# Altium PCB Gateway - Particle Boron LTE Shield.PcbDoc
Units mil, origin at the board's own origin, x right, y up, seen from the top; angles counter-clockwise.
Board outline 2708.66 x 3937.01 mil, 2 copper layers (Top Layer, Bottom Layer), stack 61.756 mil thick; 14 components, 25 nets, 122 pads, 22 vias.
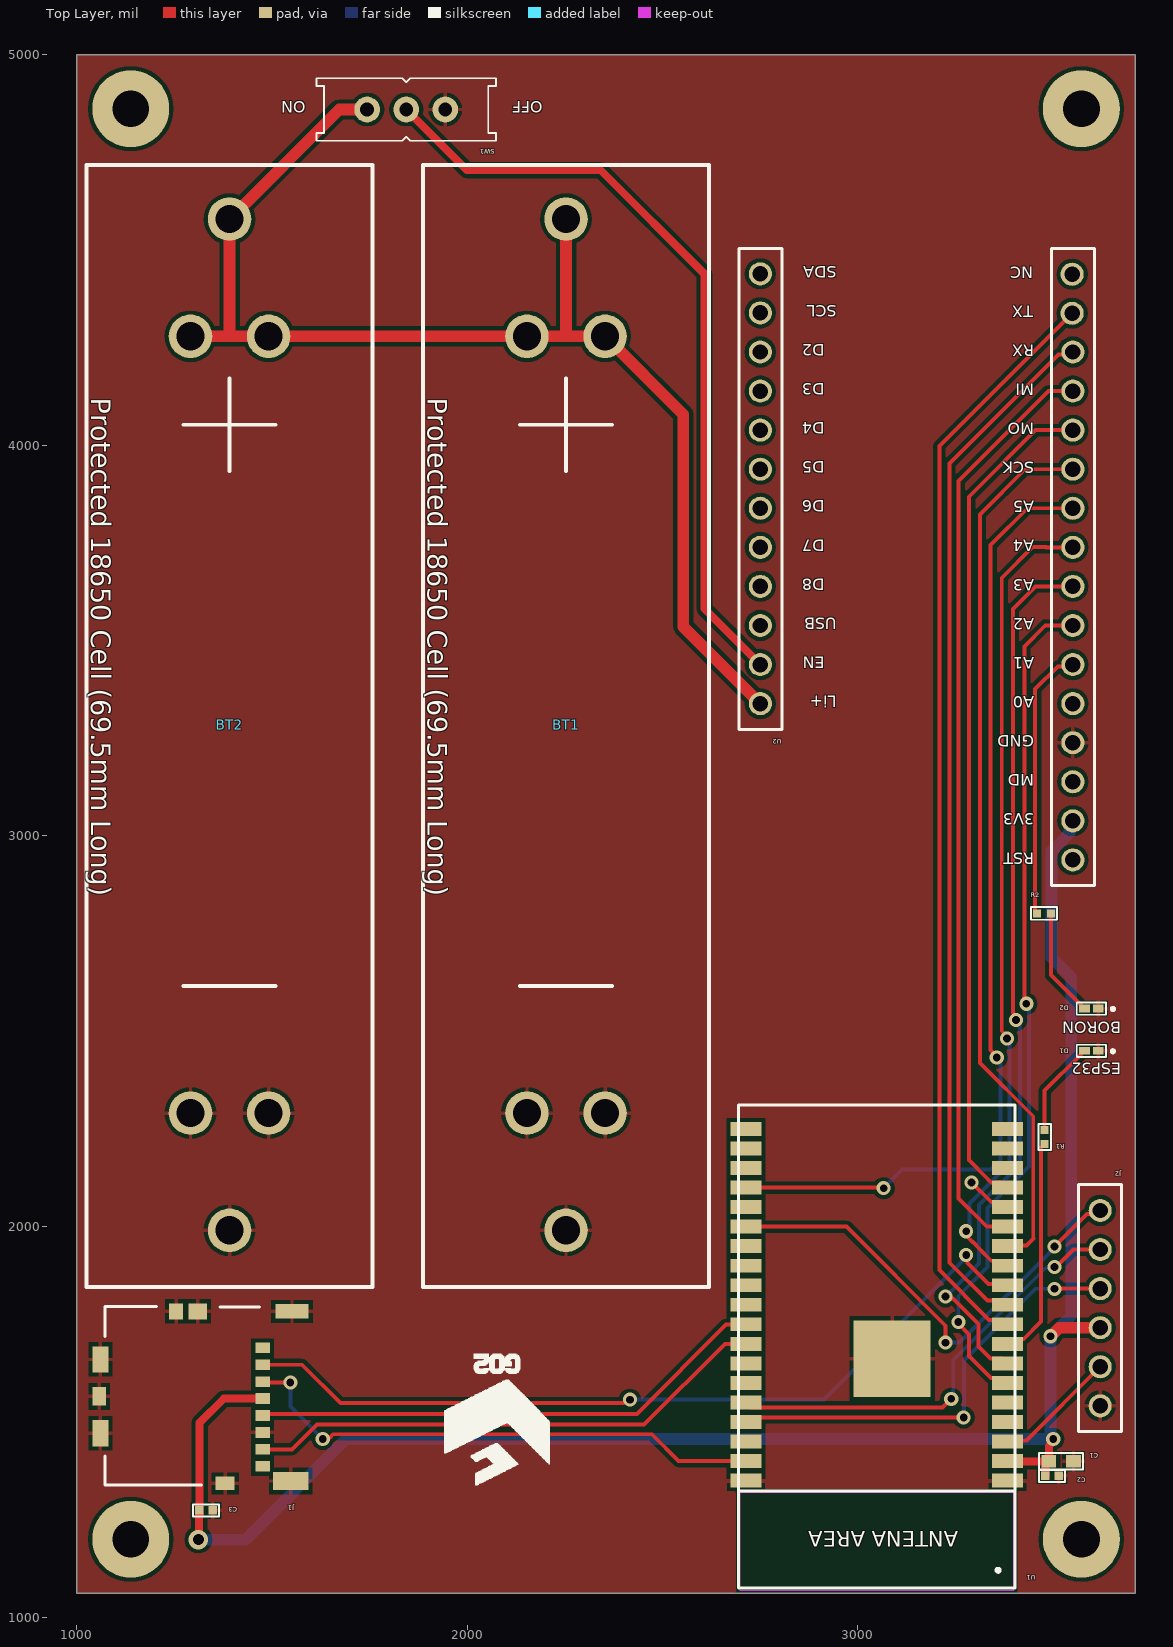
[diagram p0: Top Layer view]
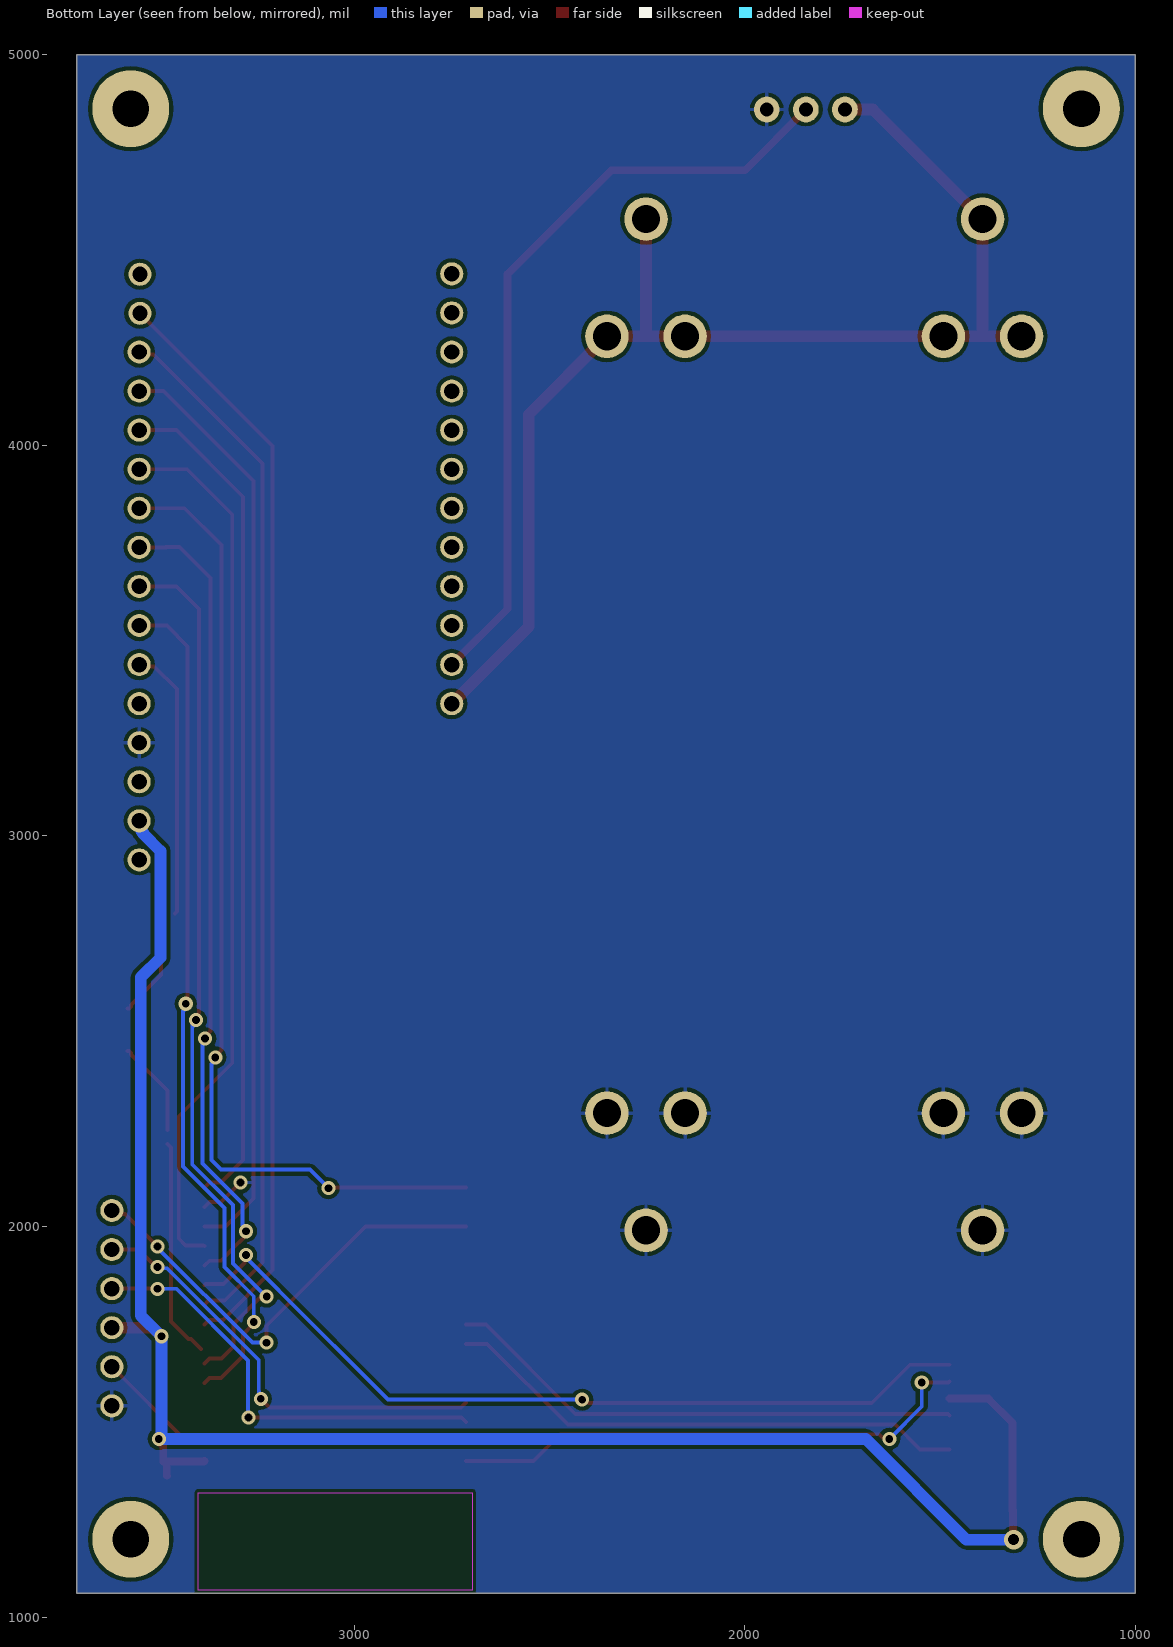
[diagram p1: Bottom Layer view, seen from below]

## Layer stack, top to bottom
Top Solder: solder mask 1, SM-001, Dk 4
Top Layer: signal copper 1.378
Dielectric 1: core 59, Core-043, Dk 4.3
Bottom Layer: signal copper 1.378
Bottom Solder: solder mask 1, SM-001, Dk 4

## Board outline
1000.98,4999.02 1000.98,1062.01 3709.65,1062.01 3709.65,4999.02

## Design rules (kind name [scope] priority, off if disabled: settings)
Clearance [All] p1: gap=10 ignorepadtopadclearanceinfootprint=FALSE except(0: Arc-Hole Track-Hole SMDPad-Hole THPad-Hole Via-Hole Fill-Hole Poly-Hole Region-Hole Text-Hole)
PolygonConnect [All] p1: connectstyle=Relief reliefconductorwidth=10 reliefentries=4 polygonreliefangle="90 Angle" airgapwidth=10
RoomDefinition "Gateway - Particle Boron LTE Shield" [InComponentClass('Gateway - Particle Boron LTE Shield')] p1: confinementstyle=ConfineIn formatcopy=TRUE lockcomponents=FALSE outline 7045,1025 11570,1025 11570,3850 7045,3850
RoutingVias [All] p1: holewidth=20 width=36 viastyle="Through Hole" minholewidth=15 minwidth=30 maxholewidth=28 maxwidth=50
SolderMaskExpansion [All] p1: expansion=4 istentingtop=FALSE
Width [All] p1: maxlimit=30 minlimit=10 preferedwidth=10
30 further rules are at their usual default settings.

## Components (designator, comment, footprint, x,y, rotation, side; value= is the part's Value field where it differs from the comment)
BT1 "3.7V Li-Ion 18650 Cell" "18650 Battery Clip" 2254.92,3333.86 r270 top
BT2 "3.7V Li-Ion 18650 Cell" "18650 Battery Clip" 1393.7,3333.86 r270 top
C1 "22uF 10V 0603" "0603 CAP" 3520.67,1398.62 r0 top value=22uF
C2 "0.1uF 16V 0402" "0402 CAP" 3497.05,1362.2 r0 top value=0.1uF
C3 "0.1uF 16V 0402" "0402 CAP" 1331.69,1273.62 r0 top value=0.1uF
D1 "0402 Red LED" "GREEN 0402 LED" 3597.44,2448.82 r0 top
D2 "0402 Green LED" "GREEN 0402 LED" 3597.44,2557.09 r0 top
J1 "MOLEX 5040771891" "MOLEX 5040771891" 1314.96,1563.98 r270 top
J2 "FTDI Programmer" PPTC061LFBN-RC 3619.09,1790.35 r90 top
R1 "1.5k 1% 0402" "0402 RES" 3478.35,2229.33 r90 top
R2 "1.5k 1% 0402" "0402 RES" 3476.38,2801.18 r0 top
SW1 "SW-SPDT" EG1218 1843.9,4859.25 r0 top
U1 "ESP32-WROVER-E (8MB)" "ESP32-WROVER-E (8MB)" 3048.23,1690.94 r180 top
U2 "Particle Boron LTE" "Particle Boron LTE" 3150.2,3688.58 r180 top

## Footprints (in the part's own frame and the unit in brackets; to place one, negate y for a bottom-side part, rotate by r counter-clockwise, add the part's x,y. Pads: shape width x height; smd on the part's side, far side on the other; paste and mask are expansions set on the pad)
"0402 CAP" [mil]
  rect 21.65x21.65 smd mask+1.97: 1(-18.05,-0.02) 2(17.39,-0.02)
  silkscreen extent -34,-16 33,15, body extent -20,-10 20,10, height 20
"0402 RES" [mil]
  rect 20x20 smd: 1(17.74,0.51) 2(-17.7,0.51)
  silkscreen extent -33,-16 33,17
"0603 CAP" [mm]
  rect 0.96x0.8 smd: 1(-0.813,0.013) 2(0.787,0.013)
  silkscreen extent -1.46,-0.53 1.42,0.55, body extent -0.8,-0.38 0.8,0.42, height 0.3
"18650 Battery Clip" [mm]
  round 2.83 hole 1.83: 1(-31.62,-0.05) 1(-24,-2.59) 1(-24,2.49) 2(26.5,-2.59) 2(26.5,2.49) 2(34.12,-0.05)
  silkscreen extent -35.12,-9.35 37.8,9.25, body extent -35.19,-9.5 37.87,9.39, height 19.5
EG1218 [mil]
  round 66 hole 35.43: 1(-100,0) 2(0,0) 3(100,0)
  silkscreen extent -230,-80 230,80, body extent -228,-79 228,79, height 276
"ESP32-WROVER-E (8MB)" [mm]
  rect 2x0.9 smd: 1(-8.5,8.66) 2(-8.5,7.39) 3(-8.5,6.12) 4(-8.5,4.85) 5(-8.5,3.58) 6(-8.5,2.31) 7(-8.5,1.04) 8(-8.5,-0.23) 9(-8.5,-1.5) 10(-8.5,-2.77) 11(-8.5,-4.04) 12(-8.5,-5.31) 13(-8.5,-6.58) 14(-8.5,-7.85) 15(-8.5,-9.12) 16(-8.5,-10.39) 17(-8.5,-11.66) 18(-8.5,-12.93) 19(-8.5,-14.2) 20(8.5,-14.2) 21(8.5,-12.93) 22(8.5,-11.66) 23(8.5,-10.39) 24(8.5,-9.12) 25(8.5,-7.85) 26(8.5,-6.58) 27(8.5,-5.31) 28(8.5,-4.04) 29(8.5,-2.77) 30(8.5,-1.5) 31(8.5,-0.23) 32(8.5,1.04) 33(8.5,2.31) 34(8.5,3.58) 35(8.5,4.85) 36(8.5,6.12) 37(8.5,7.39) 38(8.5,8.66)
  rect 5x5 smd: 39(-1,0.74)
  silkscreen extent -9,-15.75 9,15.65, body extent -8.95,-15.74 9.75,15.95, height 3.3
"GREEN 0402 LED" [mm]
  rect 0.7x0.5 smd: 1(-0.45,0.025) 2(0.45,0.025)
  silkscreen extent -0.95,-0.37 1.5,0.43, body extent -0.5,-0.23 0.5,0.28, height 0.16
"MOLEX 5040771891" [mm]
  rect 0.7x0.95 smd: 1(-3.195,4.1) 2(-2.095,4.1) 3(-0.995,4.1) 4(0.105,4.1) 5(1.205,4.1) 6(2.305,4.1) 7(3.405,4.1) 8(4.505,4.1)
  rect 0.95x2.17 smd: 9(-5.57,6.01)
  rect 1.05x0.9 smd: 9(-5.565,-1.525)
  rect 1.05x1.2 smd: 9(-5.565,-0.115)
  rect 1.7x1.03 smd: 9(-2.44,-6.45) 9(2.36,-6.45)
  rect 1.2x0.88 smd: 9(-0.04,-6.525)
  rect 1.19x2.3 smd: 9(5.46,5.935)
  rect 0.88x1.25 smd: 9(5.615,1.66)
  silkscreen extent -5.87,-6.15 5.72,3.9, body extent -5.76,-6.65 5.62,6.85, height 1.26
"Particle Boron LTE" [mm]
  round 1.5 hole 1: 1(-10.16,19.05) 2(-10.16,16.51) 3(-10.16,13.97) 4(-10.16,11.43) 5(-10.16,8.89) 6(-10.16,6.35) 7(-10.16,3.81) 8(-10.16,1.27) 9(-10.16,-1.27) 10(-10.16,-3.81) 11(-10.16,-6.35) 12(-10.16,-8.89) 13(-10.16,-11.43) 14(-10.16,-13.97) 15(-10.11,-16.485) 16(-10.11,-19.025) 17(10.16,-19.05) 18(10.16,-16.51) 19(10.16,-13.97) 20(10.16,-11.43) 21(10.16,-8.89) 22(10.16,-6.35) 23(10.16,-3.81) 24(10.16,-1.27) 25(10.16,1.27) 26(10.16,3.81) 27(10.16,6.35) 28(10.16,8.89)
  silkscreen extent -11.56,-20.7 11.56,20.7, body extent -11.43,-25.43 11.43,26, height 18.42
PPTC061LFBN-RC [mm]
  round 1.5 hole 1: 1(-6.325,-0.025) 2(-3.785,-0.025) 3(-1.245,-0.025) 4(1.295,-0.025) 5(3.835,-0.025) 6(6.375,-0.025)
  silkscreen extent -8,-1.42 8.05,1.37, body extent -7.59,-1.3 7.65,1.24, height 8.5

## Part data
BT1 BT2: library part Battery, "Multicell Battery"
C1: library part Cap, "Capacitor", Supplier Part Number=490-10476-1-ND
C2 C3: library part Cap, "Capacitor", Supplier Part Number=490-5415-2-ND
D1 D2: library part LED0
  D1: Digikey PN=754-1104-1-ND
  D2: Digikey PN=754-1101-1-ND
J2: library part "Header 6", "Header, 6-Pin", Supplier PN=S7004-ND
R1 R2: library part Res1, "Resistor", Digikey PN=311-1.50KLRCT-ND
SW1: "SPDT Subminiature Toggle Switch, Right Angle Mounting, Vertical Actuation", ComponentLink1Description="Manufacturer Link", ComponentLink1URL=http://www.apem.com, DatasheetVersion=05-Dec-2000, LatestRevisionDate=17-Dec-2003, LatestRevisionNote="Schematic revised, PCB Footprint replaced.", PackageDescription="Switch; 4 Leads", PackageReference=TL36WW15050, Published=24-Mar-1999, Publisher="Altium Limited"

## Free pads (board coordinates)
  round 196.85 hole 94.49: 1(1138.78,1199.8) 1(1138.78,4861.22) 1(3571.85,1199.8) 1(3571.85,4861.22)

## Via types
v1: diameter 36, hole 20, Top Layer to Bottom Layer, tented both sides, 19 vias
v2: diameter 36, hole 20, Top Layer to Bottom Layer, 2 vias
v3: diameter 50, hole 28, Top Layer to Bottom Layer, 1 vias

## Nets (pads, with @x,y where several pads share a name; then routed paths per layer and width w, separated by ;. In a path a pad name is that pad's centre, name@x,y a point inside that pad or via, vN(x,y) a via of type N, cw(c..) or ccw(c..) an arc to the next point about the centre after c; other vN are vias at no path point)
3V3: C1.1 C2.1 C3.1 J1.4 J2.3 U1.2 U2.2 | length 4786.2
  Top Layer w20: v3(1312.01,1198.82) 1313.64,1200.45 C3.1@1313.64,1263.76 ; C3.1 C3.1@1313.64,1263.76 ; J1.4 1376.77,1559.84 1314.96,1498.03 1314.96,1272.59 1314.47,1272.09 1314.47,1264.58 C3.1@1313.64,1263.76 ; U1.2 3383.74,1399.13 C1.1@3485.57,1399.13 ; C2.1 3479.82,1363.01 3479.82,1393.39 C1.1@3485.57,1399.13 ; v2(3500,1456.69) 3500,1449.8 3488.66,1438.46 C1.1 C1.1@3485.57,1399.13
  Top Layer w30: v2(3493.11,1719.49) 3514.96,1741.34 J2.3
  Bottom Layer w30: v3(1312.01,1198.82) 1433.07,1198.82 1690.94,1456.69 v2(3500,1456.69) 3500,1458.32 3493.11,1465.21 v2(3493.11,1719.49) 3545.95,1772.33 3545.95,2638.1 3495.67,2688.39 3495.67,2961.17 3538.94,3004.44 3538.94,3006.78 3544.64,3012.48 3544.64,3033.02 U2.2
BORON_CLK: U1.13 U2.11 | length 2267
  Top Layer w10: U1.13 3384.93,1952.06 3431.39,1952.06 3448.92,1969.59 ; 3448.82,1972.82 3448.82,2282.48 3312.01,2419.29 3312.01,3822.83 3427.76,3938.58 U2.11
BORON_LED: R2.2 U2.6 | length 698.7
  Top Layer w10: R2.2 3453.74,2806.63 3453.74,3375.98 3511.78,3434.03 3545.64,3434.03 U2.6
CH1: U1.6 U2.7 | length 2180.5
  Top Layer w10: v1(3256.89,1755.91) 3256.89,1751.97 3284.45,1724.41 3284.45,1669.29 3341.02,1612.72 3370.16,1612.72 U1.6 ; v1(3431.04,2570.53) 3426.18,2575.4 3426.18,3485.24 3479.53,3538.58 U2.7
  Bottom Layer w10: v1(3256.89,1755.91) 3256.89,1821.85 3331.69,1896.65 3331.69,2047.24 3437.99,2153.54 3437.99,2551.68 3436.02,2553.65 3436.02,2565.56 v1(3431.04,2570.53)
CH2: U1.7 U2.8 | length 2301.3
  Top Layer w10: v1@3234.04,1823.19 3225.75,1823.19 v1(3223.89,1821.33) 3228.86,1816.36 3243.11,1816.36 3309.06,1750.41 3309.06,1692.91 3339.25,1662.72 3370.16,1662.72 U1.7 ; v1(3404.99,2528.54) 3404.99,2536.83 3406.1,2537.94 3396.65,2547.39 3396.65,3580.71 3454.53,3638.58 U2.8
  Bottom Layer w10: v1(3223.89,1821.33) 3230.37,1827.81 3232.34,1827.81 3310.04,1905.51 3310.04,2055.12 3414.37,2159.45 3414.37,2509.69 3413.44,2510.62 3413.44,2522.69 3407.58,2528.54 v1(3404.99,2528.54)
ESP_CS: U1.23 U2.10 | length 2516.2
  Top Layer w10: U1.23 3064.37,2100 v1(3065.94,2098.43) ; v1(3355.32,2433.07) 3355.32,2436.17 3339.57,2451.92 3339.57,3744.09 3434.06,3838.58 U2.10
  Bottom Layer w10: v1(3065.94,2098.43) 3113.52,2146 3340.88,2146 3365.16,2170.28 3365.16,2416.19 3355.32,2426.04 v1(3355.32,2433.07)
ESP_LED: R1.2 U1.8 | length 564.2
  Top Layer w10: U1.8@3391.73,1687.28 3417.17,1712.72 3424.33,1712.72 3468.97,1757.35 3468.97,2202.76 R1.2
ESP_RX: U1.9 U2.15 | length 2821.2
  Top Layer w10: U1.9 3371.44,1761.43 3336.01,1761.43 3208.66,1888.78 3208.66,3998.03 U2.15
ESP_SDI: U1.16 U2.12 | length 2161.8
  Top Layer w10: U1.16 3370.16,2112.72 3342.01,2112.72 3337.44,2117.28 3337.29,2117.28 3328.5,2126.07 3328.5,2126.22 3284.45,2170.28 3284.45,3868.11 3454.92,4038.58 U2.12
ESP_SDO: U1.14 U2.13 | length 2379
  Top Layer w10: U1.14 3329.72,2000 3257.87,2071.85 3257.87,3908.46 3487.99,4138.58 U2.13
ESP_TX: U1.10 U2.14 | length 2672.8
  Top Layer w10: U1.10 3372.33,1810.55 3331.18,1810.55 3234.25,1907.48 3234.25,3952.76 3513.65,4232.16 3543.77,4232.16 U2.14
FTDI_DTR: J2.6 U1.25 | length 1201.1
  Top Layer w10: U1.25 2970.47,2000 3224.09,1746.38 v1(3224.09,1702.96) ; v1(3502.95,1948.82) 3586.29,2032.16 3610.9,2032.16 J2.6
  Bottom Layer w10: v1(3224.09,1702.96) 3260.5,1702.96 3505.91,1948.37 3505.46,1948.82 v1(3502.95,1948.82)
FTDI_RTS: J2.2 U1.3 | length 316.7
  Top Layer w10: U1.3@3383.07,1449.8 U1.3 3385.52,1452.65 3431.39,1452.65 J2.2
FTDI_RX: J2.4 U1.35 | length 1132.7
  Top Layer w10: U1.35 2725.39,1511.81 v1(3270.67,1511.81) ; v1(3502.95,1840.91) 3509.56,1840.91 3509.99,1841.34 J2.4
  Bottom Layer w10: v1(3270.67,1511.81) 3271.85,1512.99 3271.85,1657.73 3455.02,1840.91 v1(3502.95,1840.91)
FTDI_TX: J2.5 U1.34 | length 1133.9
  Top Layer w10: U1.34 2726.18,1537.4 3216.96,1537.4 v1(3238.85,1559.29) ; v1(3502.95,1896.65) 3506.89,1896.65 3551.57,1941.34 J2.5
  Bottom Layer w10: v1(3238.85,1559.29) 3243.82,1564.26 3243.82,1577.87 3244.09,1578.15 3244.09,1658.26 3479.38,1893.55 3499.85,1893.55 v1(3502.95,1896.65)
GND: BT1.2 BT2.2 C1.2 C2.2 C3.2 D1.2 D2.2 J1.6 J1.9 J2.1 SW1.3 U1.1 U1.15 U1.38 U1.39 U2.4 | length 118.1
  Top Layer w10: v1(3290.87,2113) 3341.16,2062.72 3370.16,2062.72 U1.15
HANDSHAKE: U1.12 U2.9 | length 2091.5
  Top Layer w10: v1(3277.04,1988.19) 3278.54,1986.69 3278.54,1975.39 3293.77,1960.17 3294.18,1960.17 3313.51,1940.83 3313.51,1940.43 3341.22,1912.72 3370.16,1912.72 U1.12 ; v1(3381.37,2481.3) 3381.37,2487.72 3368.11,2500.98 3368.11,3660.43 3446.85,3739.17 3481.3,3739.17 3481.89,3738.58 U2.9
  Bottom Layer w10: v1(3277.04,1988.19) 3277.04,1995.22 3285.43,2003.62 3285.43,2059.06 3388.32,2161.94 3388.32,2475.44 3382.46,2481.3 v1(3381.37,2481.3)
NetD1_1: D1.1 R1.1 | length 247.2
  Top Layer w10: R1.1 3477.83,2347.91 3570.94,2441.02 3570.94,2444.96 3575.79,2449.8 D1.1
NetD2_1: D2.1 R2.1 | length 281.4
  Top Layer w10: R2.1 3494.11,2643.68 3570.94,2566.85 3570.94,2562.91 3575.79,2558.07 D2.1
PWR_EN: SW1.2 U2.27 | length 1996.5
  Top Layer w20: SW1.2 1999.41,4703.74 2341.54,4703.74 2607.28,4437.99 2607.28,3581.5 U2.27
SD_CS: J1.2 U1.11 | length 2150.2
  Top Layer w10: J1.2 1576.97,1646.46 1675.2,1548.23 2400.44,1548.23 2409.3,1557.09 v1(2416.34,1557.09) ; v1(3277.04,1927.17) 3280.51,1923.69 3280.51,1906.5 3334.36,1852.65 3380.23,1852.65 U1.11
  Bottom Layer w10: v1(2416.34,1557.09) 2913.39,1557.09 3193.38,1837.08 3193.38,1837.49 3212.71,1856.82 3213.12,1856.82 3277.04,1920.74 v1(3277.04,1927.17)
SD_SCK: J1.5 U1.30 | length 1333.9
  Top Layer w10: J1.5 1480.51,1520.67 2434.06,1520.67 2662.4,1749.02 2712.6,1749.02 U1.30
SD_SDI: J1.3 U1.37 | length 1367.2
  Top Layer w10: J1.3 1476.57,1603.35 1478.54,1601.38 v1(1547.24,1601.38) ; v1(1630.26,1456.82) 1633.6,1460.16 1648.31,1460.16 1656.65,1468.5 2472.44,1468.5 2540.94,1400 U1.37
  Bottom Layer w10: v1(1547.24,1601.38) 1547.24,1539.83 v1(1630.26,1456.82)
SD_SDO: J1.7 U1.31 | length 1349.1
  Top Layer w10: J1.7 1551.97,1429.92 1615.16,1493.11 2452.76,1493.11 2659.65,1700 U1.31
VBAT: BT1.1 BT2.1 SW1.1 U2.28 | length 3234.3
  Top Layer w30: BT2.1@1291.73,4278.74 1391.73,4278.74 ; SW1.1 1672.24,4859.25 1391.73,4578.74 1391.73,4278.74 ; BT1.1@2252.95,4578.74 2252.95,4278.74 ; U2.28 2553.08,3535.7 2553.08,4078.62 2352.95,4278.74 2252.95,4278.74 ; 1391.73,4278.74 1491.73,4278.74 2152.95,4278.74 2252.95,4278.74
pads on no net: J1.1 J1.8 U1.4 U1.5 U1.17 U1.18 U1.19 U1.20 U1.21 U1.22 U1.24 U1.26 U1.27 U1.28 U1.29 U1.32 U1.33 U1.36 U2.1 U2.3 U2.5 U2.16 U2.17 U2.18 U2.19 U2.20 U2.21 U2.22 U2.23 U2.24 U2.25 U2.26

## Polygon pours and split planes (outlines as drawn)
GND on Bottom Layer "BOT_POUR" (solid, remove dead copper, pour order 1): 1000.98,4999.02 1000.98,1062.01 3707.68,1062.01 3708.66,1062.99 3709.65,1062.01 3709.65,4999.02
GND on Top Layer "TOP_POUR" (solid, remove dead copper, pour order 0): 1000.98,4999.02 1000.98,1062.01 3707.68,1062.01 3708.66,1062.99 3709.65,1062.01 3709.65,4999.02

## Keep-outs
Keep-Out Layer:
  rectangle: 2697.83,1069.88 3398.62,1318.9

## Silkscreen, mask and mechanical layers (free items; w line width, h text height)
Top Overlay:
  drawing of 411 lines, arcs and shapes, not listed
  text "ON" at 1586.61,4879.92 h30 r180
  text "OFF" at 2192.91,4879.92 h30 r180
  text "BORON" at 3674.21,2524.61 h30 r180
  text "ESP32" at 3674.21,2419.29 h30 r180
Mechanical 1:
  the board outline again, w5

## Text inside footprints (layer, text, board x,y; h text height)
BT1: Top Overlay "Protected 18650 Cell (69.5mm Long)" at 1898.62,4121.26 h50 r270
BT2: Top Overlay "Protected 18650 Cell (69.5mm Long)" at 1037.4,4121.26 h50 r270
U1: Top Overlay "ANTENA AREA" at 3256.46,1220.67 h39.37 r180
U2: Top Overlay "EN" at 2915.2,3458.58 h30 r180; Top Overlay "USB" at 2945.2,3558.58 h30 r180; Top Overlay "D8" at 2915.2,3658.58 h30 r180; Top Overlay "D7" at 2915.2,3758.58 h30 r180; Top Overlay "D3" at 2915.2,4158.58 h30 r180; Top Overlay "D2" at 2915.2,4258.58 h30 r180; Top Overlay "SDA" at 2945.2,4458.58 h30 r180; Top Overlay "SCL" at 2945.2,4358.58 h30 r180; Top Overlay "D6" at 2915.2,3858.58 h30 r180; Top Overlay "Li+" at 2945.2,3358.58 h30 r180; Top Overlay "D4" at 2915.2,4058.58 h30 r180; Top Overlay "D5" at 2915.2,3958.58 h30 r180; Top Overlay "NC" at 3448.95,4456.44 h30 r180; Top Overlay "TX" at 3448.95,4356.44 h30 r180; Top Overlay "MO" at 3450.92,4057.42 h30 r180; Top Overlay "RX" at 3450.92,4257.42 h30 r180; Top Overlay "MI" at 3450.92,4157.42 h30 r180; Top Overlay "SCK" at 3450.92,3957.42 h30 r180; Top Overlay "A5" at 3450.92,3857.42 h30 r180; Top Overlay "A4" at 3450.92,3757.42 h30 r180; Top Overlay "A3" at 3450.92,3657.42 h30 r180; Top Overlay "A2" at 3450.92,3557.42 h30 r180; Top Overlay "A1" at 3450.92,3457.42 h30 r180; Top Overlay "A0" at 3450.92,3357.42 h30 r180; Top Overlay "GND" at 3450.92,3257.42 h30 r180; Top Overlay "MD" at 3450.92,3157.42 h30 r180; Top Overlay "3V3" at 3450.92,3057.42 h30 r180; Top Overlay "RST" at 3450.92,2957.42 h30 r180